# KiCad board pcb.kicad_pcb (continued)
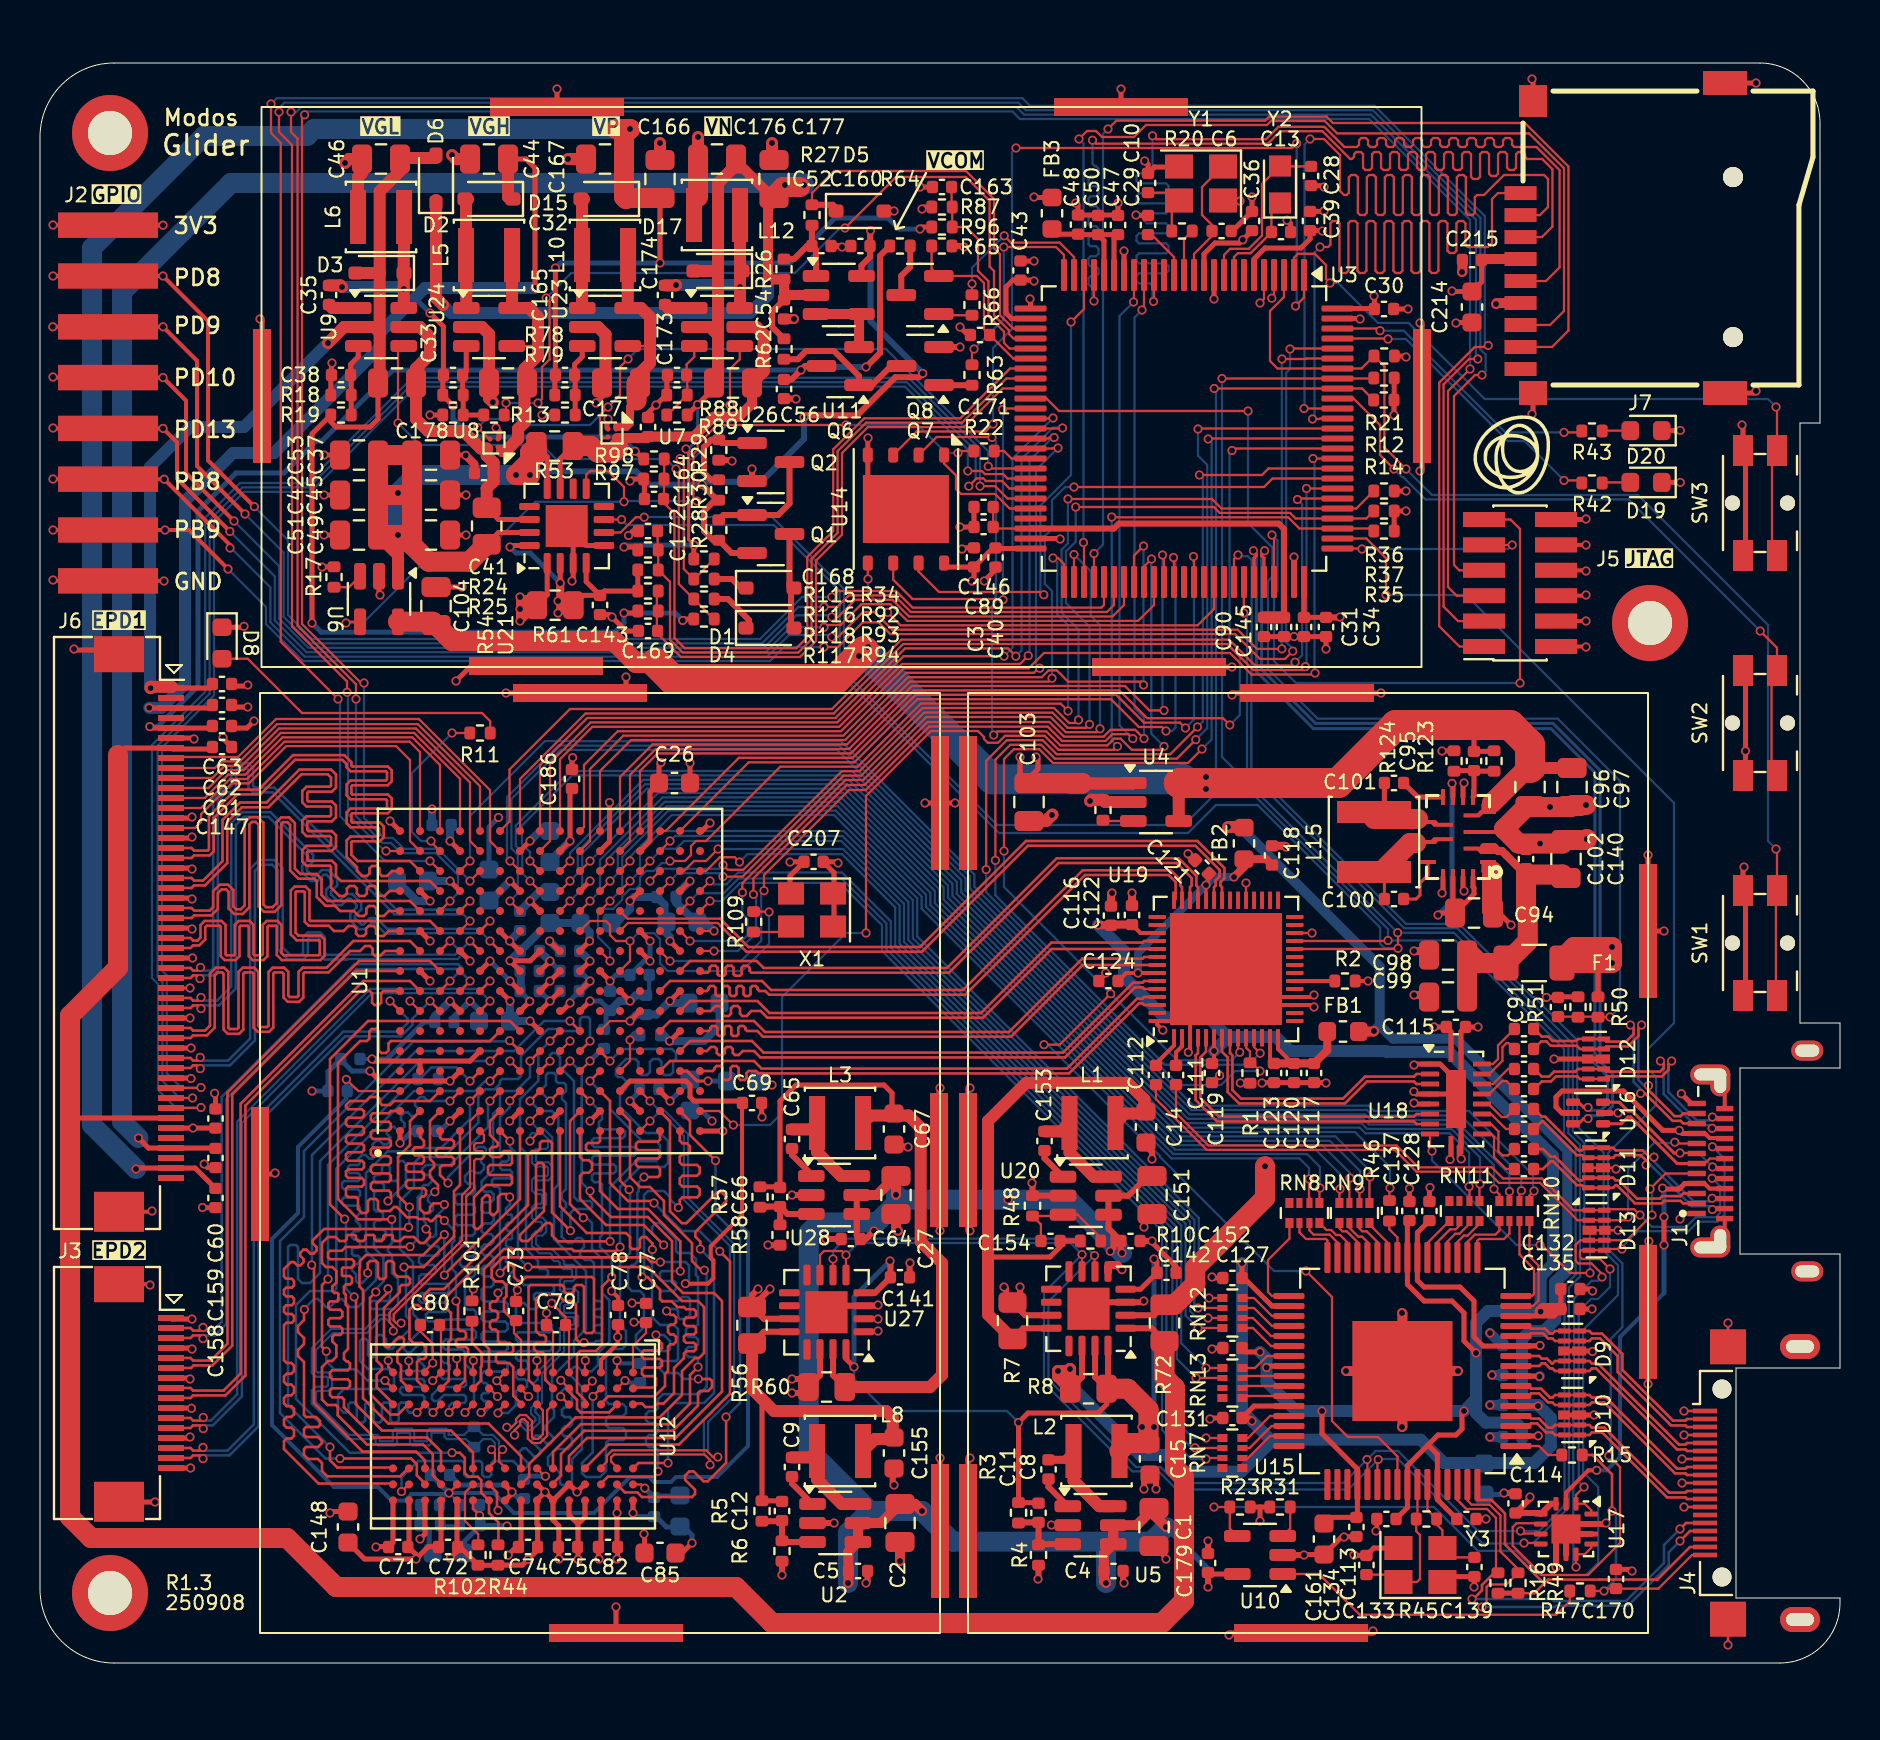
[diagram p0: board, top side]
## Nets (continued)
/dp_in/DPAUXP: C111.2 U19.2
/dp_in/RX1N: C105.1 D11.2 D11.9 J1.A3
/dp_in/RX1NC: C105.2 U18.13
/dp_in/RX1P: C106.1 D11.1 D11.10 J1.A2
/dp_in/RX1PC: C106.2 U18.12
/dp_in/RX2N: C109.1 D12.2 D12.9 J1.B3
/dp_in/RX2NC: C109.2 U18.17
/dp_in/RX2P: C110.1 D12.1 D12.10 J1.B2
/dp_in/RX2PC: C110.2 U18.16
/dp_in/SBU1: C112.1 D13.2 D13.9 J1.A8
/dp_in/SBU2: C111.1 D13.1 D13.10 J1.B8
/dp_in/TX1N: C7.1 D11.5 D11.6 J1.B10
/dp_in/TX1NC: C7.2 U18.15
/dp_in/TX1P: C55.1 D11.4 D11.7 J1.B11
/dp_in/TX1PC: C55.2 U18.14
/dp_in/TX2N: C107.1 D12.5 D12.6 J1.A10
/dp_in/TX2NC: C107.2 U18.19
/dp_in/TX2P: C108.1 D12.4 D12.7 J1.A11
/dp_in/TX2PC: C108.2 U18.18
/epd_power/EN_VGL: R93.1 R94.2 U9.4
/epd_power/EN_VN: R34.2 R92.1 U26.4
/fpga_config/FPGA_INIT: U1.R3
/fpga_ddr/DRAM_ADDR0: U1.K5 U12.N3
/fpga_ddr/DRAM_ADDR1: U1.K6 U12.P7
/fpga_ddr/DRAM_ADDR2: U1.D1 U12.P3
/fpga_ddr/DRAM_ADDR3: U1.L4 U12.N2
/fpga_ddr/DRAM_ADDR4: U1.G5 U12.P8
/fpga_ddr/DRAM_ADDR5: U1.H4 U12.P2
/fpga_ddr/DRAM_ADDR6: U1.H3 U12.R8
/fpga_ddr/DRAM_ADDR7: U1.D3 U12.R2
/fpga_ddr/DRAM_ADDR8: U1.B2 U12.T8
/fpga_ddr/DRAM_ADDR9: U1.A2 U12.R3
/fpga_ddr/DRAM_ADDR10: U1.G6 U12.L7
/fpga_ddr/DRAM_ADDR11: U1.E3 U12.R7
/fpga_ddr/DRAM_ADDR12: U1.F3 U12.N7
/fpga_ddr/DRAM_ADDR13: U1.F6 U12.T3
/fpga_ddr/DRAM_ADDR14: U1.F5 U12.T7
/fpga_ddr/DRAM_BA0: U1.C3 U12.M2
/fpga_ddr/DRAM_BA1: U1.C2 U12.N8
/fpga_ddr/DRAM_BA2: U1.B1 U12.M3
/fpga_ddr/DRAM_CASB: U1.H5 U12.K3
/fpga_ddr/DRAM_CKE: R44.1 U1.F4 U12.K9
/fpga_ddr/DRAM_CKN: R100.1 U1.E1 U12.K7
/fpga_ddr/DRAM_CKP: R100.2 U1.E2 U12.J7
/fpga_ddr/DRAM_CSB: R101.1 U12.L2
/fpga_ddr/DRAM_DATA0: U1.K2 U12.E3
/fpga_ddr/DRAM_DATA1: U1.K1 U12.F7
/fpga_ddr/DRAM_DATA2: U1.J3 U12.F2
/fpga_ddr/DRAM_DATA3: U1.J1 U12.F8
/fpga_ddr/DRAM_DATA4: U1.F2 U12.H3
/fpga_ddr/DRAM_DATA5: U1.F1 U12.H8
/fpga_ddr/DRAM_DATA6: U1.G3 U12.G2
/fpga_ddr/DRAM_DATA7: U1.G1 U12.H7
/fpga_ddr/DRAM_DATA8: U1.L3 U12.D7
/fpga_ddr/DRAM_DATA9: U1.L1 U12.C3
/fpga_ddr/DRAM_DATA10: U1.M2 U12.C8
/fpga_ddr/DRAM_DATA11: U1.M1 U12.C2
/fpga_ddr/DRAM_DATA12: U1.P2 U12.A7
/fpga_ddr/DRAM_DATA13: U1.P1 U12.A2
/fpga_ddr/DRAM_DATA14: U1.R2 U12.B8
/fpga_ddr/DRAM_DATA15: U1.R1 U12.A3
/fpga_ddr/DRAM_LDM: U1.J4 U12.E7
/fpga_ddr/DRAM_LDQSN: U1.H1 U12.G3
/fpga_ddr/DRAM_LDQSP: U1.H2 U12.F3
/fpga_ddr/DRAM_ODT: U1.L5 U12.K1
/fpga_ddr/DRAM_RASB: U1.J6 U12.J3
/fpga_ddr/DRAM_RST: R103.1 U1.E4 U12.T2
/fpga_ddr/DRAM_UDM: U1.K3 U12.D3
/fpga_ddr/DRAM_UDQSN: U1.N1 U12.B7
/fpga_ddr/DRAM_UDQSP: U1.N3 U12.C7
/fpga_ddr/DRAM_WEB: U1.C1 U12.L3
/fpga_io/LED: R11.1 U1.C15
/mcu/G_LED: R42.1 U3.97
/mcu/OSC32_IN: C13.1 U3.8 Y2.1
/mcu/OSC32_OUT: C28.1 U3.9 Y2.2
/mcu/OSC_IN: C6.1 U3.12 Y1.1
/mcu/OSC_OUT: R20.1 U3.13
/mcu/R_LED: R43.1 U3.98
/power/EVDD: C94.2 U13.7 U13.13 U13.15
/tmds_in/ADV_CK: R46.2 U15.25
/tmds_in/ADV_DE: RN7.4 U15.45
/tmds_in/ADV_HS: RN7.3 U15.46
/tmds_in/ADV_P0: RN13.1 U15.43
/tmds_in/ADV_P1: RN13.2 U15.42
/tmds_in/ADV_P2: RN13.3 U15.41
/tmds_in/ADV_P3: RN13.4 U15.39
/tmds_in/ADV_P4: RN12.1 U15.38
/tmds_in/ADV_P5: RN12.2 U15.37
/tmds_in/ADV_P6: RN12.3 U15.36
/tmds_in/ADV_P7: RN12.4 U15.35
/tmds_in/ADV_P8: RN8.1 U15.33
/tmds_in/ADV_P9: RN8.2 U15.32
/tmds_in/ADV_P10: RN8.3 U15.31
/tmds_in/ADV_P11: RN8.4 U15.30
/tmds_in/ADV_P12: RN9.1 U15.29
/tmds_in/ADV_P13: RN9.2 U15.28
/tmds_in/ADV_P14: RN9.3 U15.27
/tmds_in/ADV_P15: RN9.4 U15.26
/tmds_in/ADV_P16: RN11.1 U15.22
/tmds_in/ADV_P17: RN11.2 U15.21
/tmds_in/ADV_P18: RN11.3 U15.20
/tmds_in/ADV_P19: RN11.4 U15.19
/tmds_in/ADV_P20: RN10.1 U15.18
/tmds_in/ADV_P21: RN10.2 U15.17
/tmds_in/ADV_P22: RN10.3 U15.16
/tmds_in/ADV_P23: RN10.4 U15.15
/tmds_in/ADV_VS: RN7.2 U15.47
/tmds_in/HDMI_HPD: C170.1 J4.19 R15.2 R47.2
/tmds_in/HDMI_SCL: J4.15 R16.1 U15.62
/tmds_in/HDMI_SDA: J4.16 R49.1 U15.63
/tmds_in/TMDS_CKN: D10.1 D10.10 J4.12 U15.3
/tmds_in/TMDS_CKP: D10.2 D10.9 J4.11 U15.4
/tmds_in/TMDS_D0N: D10.4 D10.7 J4.9 U15.6
/tmds_in/TMDS_D0P: D10.5 D10.6 J4.8 U15.7
/tmds_in/TMDS_D1N: D9.1 D9.10 J4.6 U15.9
/tmds_in/TMDS_D1P: D9.2 D9.9 J4.5 U15.10
/tmds_in/TMDS_D2N: D9.4 D9.7 J4.3 U15.12
/tmds_in/TMDS_D2P: D9.5 D9.6 J4.2 U15.13
DEC_RST: U3.87 U15.56 U19.9
DP_HPD: U3.88 U19.11
DP_PDN: R1.2 U3.84 U19.10
DPI_B2: RN13.6 U1.T14
DPI_B3: RN13.5 U1.R14
DPI_B4: RN12.8 U1.N14
DPI_B5: RN12.7 U1.P15
DPI_B6: RN12.6 U1.M13
DPI_B7: RN12.5 U1.M14
DPI_DE: RN7.5 U1.T13
DPI_G2: RN8.6 U1.L12
DPI_G3: RN8.5 U1.L13
DPI_G4: RN9.8 U1.L14
DPI_G5: RN9.7 U1.K12
DPI_G6: RN9.6 U1.K14
DPI_G7: RN9.5 U1.J12
DPI_HS: RN7.6 U1.R12
DPI_PCLK: R46.1 U1.J13
DPI_R2: RN11.6 U1.J14
DPI_R3: RN11.5 U1.H14
DPI_R4: RN10.8 U1.H13
DPI_R5: RN10.7 U1.G12
DPI_R6: RN10.6 U1.G14
DPI_R7: RN10.5 U1.D14
DPI_VS: RN7.7 U1.T12
EPD_POS_EN: U3.42 U7.B2 U8.B2
EPD_PWR_EN: R22.1 U6.4 U21.9
EPD_THROT: U1.M16 U3.83
EPDC_CLKN: J3.2 U1.D8
EPDC_CLKP: J3.3 U1.C8
EPDC_D0N: J6.38 U1.C10
EPDC_D0P: J6.39 U1.E10
EPDC_D1N: J6.35 U1.B10
EPDC_D1P: J6.36 U1.A10
EPDC_D2N: J6.32 U1.E11
EPDC_D2P: J6.33 U1.F10
EPDC_D3N: J6.29 U1.D12
EPDC_D3P: J6.30 U1.D11
EPDC_D4N: J6.26 U1.C11
EPDC_D4P: J6.27 U1.A11
EPDC_D5N: J6.23 U1.B12
EPDC_D5P: J6.24 U1.A12
EPDC_D6N: J6.20 U1.C13
EPDC_D6P: J6.21 U1.A13
EPDC_D7N: J6.17 U1.B14
EPDC_D7P: J6.18 U1.A14
EPDC_D8N: J3.14 U1.A7
EPDC_D8P: J3.15 U1.C7
EPDC_D9N: J3.11 U1.E8
EPDC_D9P: J3.12 U1.E7
EPDC_D10N: J3.8 U1.B8
EPDC_D10P: J3.9 U1.A8
EPDC_D11N: J3.5 U1.C9
EPDC_D11P: J3.6 U1.A9
EPDC_GDCLK: J6.13 U1.B16
EPDC_GDOE: J6.11 U1.D16
EPDC_GDSP: J6.12 U1.C16
EPDC_SDCE0: J6.10 U1.E15
EPDC_SDLE: J6.9 U1.E16
EPDC_SDOE: J6.8 U1.F15
EPDC_SE_CLK: J6.15 U1.B15
FL_EN: J6.43 U3.45
FL_PWM1: J6.41 U3.43
FL_PWM2: J6.42 U3.44
FMC_A16: U1.L16 U3.58
FMC_D0: U1.M15 U3.61
FMC_D1: U1.R16 U3.62
FMC_D2: U1.F16 U3.81
FMC_D3: U1.G16 U3.82
FMC_D4: U1.H15 U3.37
FMC_D5: U1.H16 U3.38
FMC_D6: U1.J16 U3.39
FMC_D7: U1.K15 U3.40
FMC_NE1: U1.P16 U3.64
FMC_NOE: U1.K16 U3.85
FMC_NWE: U1.N16 U3.86
FPGA_CS: U1.L10 U3.51
FPGA_DONE: R37.2 U1.P13 U3.79
FPGA_MISO: U1.T10 U3.17
FPGA_MOSI: U1.P10 U3.18
FPGA_PROG: R35.2 U1.T2 U3.78
FPGA_SCLK: U1.R11 U3.52
FPGA_SUSP: R36.1 U1.P14 U3.80
FPGA_TCK: J5.1 U1.C14
FPGA_TDI: J5.3 U1.C12
FPGA_TDO: J5.5 U1.E14
FPGA_TMS: J5.7 U1.A15
GCLK: R109.2 U1.K11 U1.M9
HPD_EN: R23.2 U3.68 U10.4
I2C1_SCL: R14.2 U3.92 U15.53 U17.6 U19.25 U21.6 U22.6 U27.6
I2C1_SDA: R12.2 U3.93 U15.54 U17.7 U19.24 U21.7 U22.7 U27.5 U27.7
KEY1: R21.2 SW1.1 U3.3 U3.94
KEY2: SW2.1 U3.91
KEY3: SW3.1 U3.2
LVDS_BKLTEN: U3.4 U19.26
LVDS_EVEN_AN: U1.T8 U19.42
LVDS_EVEN_AP: U1.P8 U19.41
LVDS_EVEN_BN: U1.T9 U19.40
LVDS_EVEN_BP: U1.R9 U19.39
LVDS_EVEN_CN: U1.M11 U19.37
LVDS_EVEN_CP: U1.M12 U19.36
LVDS_ODD_AN: U1.T4 U19.54
LVDS_ODD_AP: U1.P4 U19.53
LVDS_ODD_BN: U1.T5 U19.52
LVDS_ODD_BP: U1.R5 U19.51
LVDS_ODD_CKN: U1.T7 U19.47
LVDS_ODD_CKP: U1.R7 U19.46
LVDS_ODD_CN: U1.T6 U19.49
LVDS_ODD_CP: U1.P6 U19.48
LVDS_PVCCEN: U3.5 U19.33
MCU_SWCLK: J5.9 U3.76
MCU_SWDIO: J5.11 U3.72
QSPI_SCLK: U3.36 U14.6
QSPI_SD0: U3.66 U14.5
QSPI_SD1: U3.59 U14.2
QSPI_SD2: U3.1 U14.3
QSPI_SD3: U3.23 U14.7
QSPI_SS: U3.46 U14.1
SDIO_CLK: J7.5 U3.16
SDIO_CMD: J7.3 U3.22
SDIO_DAT0: J7.7 U3.53
SDIO_DAT1: J7.8 U3.54
SDIO_DAT2: J7.1 U3.89
SDIO_DAT3: J7.2 U3.90
TCPC_INT: U3.77 U17.5
TYPEC_ORI: U3.69 U18.9
USB_DN: U3.70 U16.4
USB_DP: U3.71 U16.6
USER_PB8: J2.6 U3.95
USER_PB9: J2.7 U3.96
USER_PD8: J2.2 U3.55
USER_PD9: J2.3 U3.56
USER_PD10: J2.4 U3.57
USER_PD13: J2.5 U3.60
VCOM_DAC: D5.1 R27.2 U3.28
VCOM_EN: R63.1 U3.25
VCOM_MEA: C171.2 Q8.2 R65.2 U3.31
VCOM_MEA_EN: R66.2 U3.24
VGH_DAC: R13.2 U3.29
VGH_MEA: C164.2 R97.2 R98.1 U3.32
VGL_MEA: C169.2 R117.2 R118.1 U3.34
VN_MEA: C168.2 R115.2 R116.1 U3.33
VP_MEA: C163.2 R87.2 R96.1 U3.30
Net-(C10-Pad1): C10.1 R20.2 Y1.3
Net-(C117-Pad1): C117.1 C120.1 C123.1 FB1.2 U19.13 U19.14
Net-(C118-Pad1): C118.1 C121.1 C124.1 FB2.2 U19.38 U19.50
Net-(C145-Pad2): C89.2 C90.2 C145.2 C146.2 U3.48 U3.73
Net-(D1-A): D1.2 D4.2 Q1.3
Net-(D1-K): D1.1 R92.2
Net-(D2-A): D2.2 L5.2 U24.1
Net-(D3-K): C35.1 D3.1 L6.1 U9.6
Net-(D4-K): D4.1 R93.2
Net-(D8-A): D8.2 R11.2
Net-(D15-A): D15.2 L10.2 U23.1
Net-(D17-K): C174.1 D17.1 L12.1 U26.6
Net-(D19-A): D19.2 R42.2
Net-(D20-A): D20.2 R43.2
Net-(J1-D+-PadA6): J1.A6 J1.B6 U16.1
Net-(J1-D--PadA7): J1.A7 J1.B7 U16.3
Net-(Q1-G): Q1.1 Q2.3 R28.1
Net-(Q2-B): Q2.1 R29.2 R30.2
Net-(Q6-G): Q6.1 Q7.3 R62.1
Net-(Q6-S): Q6.2 U11.3 U11.4
Net-(Q7-G): Q7.1 R63.2
Net-(Q8-D): Q8.3 R64.1
Net-(Q8-G): Q8.1 R66.1
Net-(U1D-IO_L1P_3): R40.1 U1.M4
Net-(U2-BS): C9.2 U2.1
Net-(U2-FB): C12.2 R5.2 R6.1 U2.3
Net-(U2-SW): C9.1 L8.1 U2.6
Net-(U3-NRST): C29.2 U3.14
Net-(U3-PE11): R22.2 U3.41
Net-(U4-SET): R9.2 U4.3
Net-(U5-BS): C8.2 U5.1
Net-(U5-FB): C11.2 R3.2 R4.1 U5.3
Net-(U5-SW): C8.1 L2.1 U5.6
Net-(U6-SET): R17.2 U6.3
Net-(U9-BS): C35.2 U9.1
Net-(U9-FB): C38.1 R18.1 R19.2 U9.3
Net-(U10-SET): R31.2 U10.3
Net-(U10-VOUT): R47.1 U10.1
Net-(U11-+): C52.2 R26.2 R27.1 U11.1
Net-(U12-ZQ): R102.1 U12.L8
Net-(U13-BST1): C101.1 U13.8
Net-(U13-BST2): C100.1 U13.11
Net-(U13-FB): C95.2 R123.2 R124.2 U13.5
Net-(U13-SW1): C101.2 L15.2 U13.9
Net-(U13-SW2): C100.2 L15.1 U13.10
Net-(U13-VIN): C98.2 C99.2 C102.2 C140.2 F1.2 U13.2
Net-(U15-HPA_A/INT2): R15.1 U15.1
Net-(U15-XTALN): C125.1 R45.1 U15.59 Y3.3
Net-(U15-XTALP): C113.1 R45.2 U15.58 Y3.1
Net-(U19-TESTMODE): R2.2 U19.20
Net-(U20-BS): C153.2 U20.1
Net-(U20-FB): C154.2 R10.2 R48.1 U20.3
Net-(U20-SW): C153.1 L1.1 U20.6
Net-(U23-FB): C165.1 R78.1 R79.2 U23.3
Net-(U24-FB): C41.1 R13.1 R24.1 R25.2 U24.3
Net-(U26-BS): C174.2 U26.1
Net-(U26-FB): C175.1 R88.1 R89.2 U26.3
Net-(U28-BS): C65.2 U28.1
Net-(U28-FB): C66.2 R57.2 R58.1 U28.3
Net-(U28-SW): C65.1 L3.1 U28.6
Net-(X1-OUT): R109.1 X1.3

Pads without a net: J4 14 17; J6 2 4 46 48 50; J7 9; RN7 1 8; RN8 7 8; RN11 7 8; RN13 7 8; U1 A4 A5 A6 B3 B5 B6 C4 C5 C6 D5 D6 D9 E6 E12 E13 F7 F9 F12 F13 F14 G11 H11 J11 L7 L8 L11 M5 M6 M7 M10 N4 N5 N6 N8 N9 N12 P5 P7 P9 P11 P12 R15 T3 T15; U3 7 15 47 63 65 67; U12 M7; U15 48 49 50 51 55 61; U19 12 15 16 19 21 22 23 27 28 29 30 31 32 34 35 43 44 55; U21 8 10 13; U22 8 9 10 13; U27 8 9 10 13

## Via types
v1: diameter 0.45, hole 0.3, Top to Bottom, 900 vias

## Routing (per net, layer and track width the routed paths; a pad name or vN(x,y) marks a point on that pad's centre or on a via; arc(x,y) is an arc through that point)
+1V2_DCDC: length 35.9
  Top w0.25: R57.1 36.97,23.81 C66.1 37,28.1 37.8,28.9 42.2,28.9 42.6,28.5 42.6,27.38
  Top w0.3: U27.15 39.65,14.39 R60.2
  Top w0.6: R60.2 44.5,13.8 45.1,14.4 45.1,20 44.03,21.06 44.03,26.77 43.42,27.38 41.53,27.38 L3.2
+1V2_FPGA: length 20.9
  Top w0.25: U1.G9 24,34.61 v1(23.5,35.11) 24.51,35.11 U1.H10 ; v1(27.48,36.1) 27,35.62 U1.K10 ; U1.H8 v1(25.5,34.1) U1.J9 ; U1.J7 26.1,32.6 v1(26.5,33) ; v1(27.5,34.1) U1.K8 ; U1.G7 v1(24.49,33.09)
  Top w0.3: v1(37.6,14.2) 38.1,14.2 38.41,13.89 R60.1 ; v1(37.6,13.5) 38.2,13.5 38.41,13.71 R60.1 ; R60.1 39,14.39 U27.14
  Bottom w0.25: v1(23.5,35.11) 24,34.61 U1.G9 24.02,34.6 ; v1(26.5,33) 26.5,33.12 26.98,33.6 ; 24.02,33.6 C57.1 24.49,33.11 v1(24.49,33.09) ; 26.98,34.6 27,34.6 v1(27.5,34.1)
  Bottom w0.4: C68.1 U1.K8 v1(27.5,34.1) ; C57.1 24.03,33.63 24.03,34.56 U1.G9 ; v1(27.48,36.1) 27.48,36.55 C20.1 C18.1 25.42,37 C24.1 23.99,35.6 v1(23.5,35.11)
+1V8_DCDC: length 30
  Top w0.25: R10.1 51,21.1 51,20.81 50.5,20.3 47.4,20.3
  Top w0.3: U22.12 49.16,16.74 R7.2
  Top w0.6: R7.2 47.4,17.42 47.4,27.1 49.31,29.01 54.39,29.01 55.22,28.17 55.22,27.47 54.25,27.47 L1.2
+1V8_VID: length 128.1
  Top w0.2: U19.45 55.02,36.5 C122.1 ; 58.7,29.98 v1(58.7,30.6) U19.6
  Top w0.25: C136.1 60.3,15.55 v1(61,15.55) ; v1(71.8,15.5) 71.2,16.1 71.2,17.5 70.6,18.1 69.2,18.1 68.37,18.93 68.37,22.02 C137.1 ; 69.4,10.9 69.9,11.4 70.8,11.4 71.1,11.7 71.1,12.5 v1(71.2,12.6) ; 69.4,10.9 69.87,10.43 U15.60 69.87,8.17 C139.1 ; 69.4,10.9 68.37,9.87 U15.57 68.37,7.77 C133.1 ; v1(74.91,11.36) 74.9,11.35 U15.2 ; 62.44,14.85 61.4,14.85 v1(61.33,14.77) ; U15.14 75.69,17.35 C135.1 C132.1 ; v1(64.1,12.6) 64.1,11.47 65.87,9.7 U15.52 65.87,7.33 C134.1 64.5,7.28 C161.1
  Top w0.3: v1(49,18.8) 49,18.4 R7.1 ; R7.1 48.45,18.2 48.3,18.2 48.3,18.7 v1(48.2,18.8) ; R7.1 49.26,17.39 U22.11
  Top w0.4: v1(52.9,36.9) 52.91,36.89 C116.1 53.58,36.92 C122.1
  Top w0.6: v1(75.03,17.57) 75.16,17.7 C135.1
  In1.Cu w2: v1(48.2,18.8) 52.27,22.86 53.95,22.86 54.22,23.14 58.86,23.14 61.44,20.56 61.44,15.53 61.3,15.4
  Bottom w0.25: C138.1 74.16,11.36 v1(74.91,11.36)
  Bottom w0.6: C138.1 74.1,11.7 73.78,12.02 72.28,12.02 71.8,12.5 71.8,13.2 ; v1(61,15.55) 61.33,15.22 v1(61.33,14.77) 61.33,14.07 62.8,12.6 v1(64.1,12.6) v1(71.2,12.6) 71.8,13.2 ; 71.8,13.2 v1(71.8,15.5) 71.8,17 72.4,17.6 75,17.6 v1(75.03,17.57) 75.03,19.32 75.65,19.95 75.65,25.35 70.44,30.56 67.34,30.56 67.3,30.6 62.5,30.6 61.8,31.3 59.4,31.3 ; 59.4,31.3 v1(58.7,30.6) ; 59.4,31.3 58.42,32.28 56.22,32.28 54.2,34.3 54.2,35.6 v1(52.9,36.9)
+1V35: length 59.8
  Top w0.11: v1(18.44,15.11) 18.45,15.1 18.45,14.57 ; v1(24.43,13.33) 24.05,13.7 24.05,13.72 ; 19.98,16.92 20.05,16.85 20.05,14.57 ; v1(25.27,9.34) 25.23,9.34 24.85,9.72 ; v1(25.32,17.5) 25.32,16.92 25.65,16.59 25.65,14.57 ; v1(19.64,14.12) 19.65,14.12 20.05,14.52 ; v1(22.87,13.33) 22.48,13.72 22.45,13.72 ; 29.65,8.92 30.06,8.92 v1(30.24,8.74) ; 29.65,14.57 29.65,15.85 30.3,16.5 30.3,17.04 v1(29.7,17.04) ; 28.85,13.72 v1(29.25,14.12) ; v1(27.61,14.1) 27.61,14.09 27.25,13.72 ; U1.G4 v1(23.5,30.1) ; U1.K4 v1(27.5,30.1)
  Top w0.127: v1(22.9,7.64) 22.85,7.69 22.85,8.52 22.45,8.92
  Top w0.2: 28.9,17.02 28.88,17 v1(28.88,16.3) 28.88,15.98 28.05,15.15 28.05,14.52
  Top w0.25: v1(26.9,5.18) 26.9,6.95 ; v1(18.8,5.2) 16.23,5.2 C148.1 ; v1(18.8,5.2) 19.41,5.81 19.93,5.81 20.05,5.93 20.05,8.12 ; v1(18.8,5.2) 18.8,5.42 18.4,5.82 18.45,5.87 18.45,8.12 ; 26.9,6.95 26.45,7.4 26.45,8.12 ; 26.9,6.95 27.25,7.3 27.25,8.12 ; v1(30.2,6.45) 30.22,6.42 30.22,5.55 ; U1.D2 v1(20.5,27.1) ; 24.05,8.12 24.05,5.95 23.92,5.82 23.83,5.82 v1(23.4,5.39) ; v1(25.5,27.11) 25.99,27.6 U1.J2 ; 28.05,8.12 28.05,5.95 27.92,5.82 27.92,5.23 v1(27.95,5.2) ; U1.N2 v1(29.5,28.1)
  Top w0.3: R56.1 35.6,18.4 v1(35.9,18.7) ; R56.1 v1(36.5,18.7) ; R56.1 36.19,17.21 U27.11
  Bottom w0.2: v1(29.25,14.12) 29.36,14.02 C83.1
  Bottom w0.25: v1(25.27,9.34) 24.36,9.34 C84.1 ; C16.1 33.08,27.62 v1(33.6,27.1) ; 18.97,7.92 18.97,6.9 18.94,6.87 19.21,6.87 19.46,6.62 19.46,5.76 19.67,5.55 19.15,5.55 v1(18.8,5.2) ; v1(29.5,28.1) 30.02,28.62 30.02,28.7 ; 19.78,26.6 20,26.6 v1(20.5,27.1) ; 28.3,30.9 v1(27.5,30.1) ; 32.2,8.35 30.87,8.35 30.8,8.28 30.71,8.28 v1(30.24,8.74)
+1V35_DCDC: length 20.9
  Top w0.25: C12.1 37.07,8.11 R5.1 36.1,13.2
  Top w0.3: U27.12 36.19,16.56 R56.2
  Top w0.6: R56.2 35.6,13.7 36.7,12.6 42.3,12.6 42.64,12.26 42.64,11.2 41.75,11.2 L8.2
+3V3: length 142.1
  Top w0.11: v1(29.5,32.1) 28.5,32.1 U1.L6 ; U1.T11 v1(33.7,36.6)
  Top w0.15: U1.R4 32.35,29.6 32.85,29.1 v1(33.4,29.1)
  Top w0.2: v1(0.65,71.9) 0.66,71.89 J2.1
  Top w0.25: C3.1 46.7,54.2 v1(46.6,54.1) ; C3.1 47.66,55.76 47.78,55.76 47.81,55.73 U3.50 ; C3.1 45.4,54.8 U14.8 ; v1(6.15,71.89) J2.1 ; v1(19.5,34.1) U1.B9 ; J6.45 8.47,26.75 ; U21.1 25.36,53.41 R61.1 ; U1.F11 23,36.58 v1(23.48,36.1) 23.98,35.6 U1.G10 ; v1(67.7,62.4) R14.1 67.71,63.16 R12.1 ; U1.K13 v1(27.5,39.1) ; U1.D15 v1(20.5,41.1) ; v1(77.3,57.2) 77.28,57.17 J5.12 ; v1(85.1,61.9) 85.15,61.85 SW3.2 85.28,60.5 85.28,55.5 SW3.2 ; U18.1 70.55,31.56 C115.1 v1(69.7,31.8) ; U1.D7 v1(20.5,33.1) ; U1.J10 25.98,35.6 v1(25.48,36.1) ; U1.R8 v1(31.5,33.1) ; v1(49.7,69.1) 49.66,69.15 C43.1 48.64,69.15 48.3,68.8 48.3,67.5 48.58,67.22 U3.27 ; v1(68.3,57.6) R37.1 R35.1 ; C186.1 26.5,43.62 v1(26.5,41.1) U1.J15 ; v1(7.7,46.2) 7.65,46.25 6.6,46.25 ; U18.10 70.55,25.22 v1(70.5,25.17) ; U1.F8 v1(23.5,33.1) ; U1.N10 v1(30.5,35.1) ; U1.N15 30.5,41.1 30.5,43.55 C26.1 30.95,44.92 v1(31.05,45.03) ; U1.B13 v1(19.5,38.1) ; v1(64.12,71.6) 64.09,71.62 C39.1 63.5,71.2 63.05,70.75 61.25,70.75 60.7,70.2 U3.6 ; v1(68.7,28) 68.75,27.95 U18.6 ; FB3.1 49.72,73.28 v1(49.7,73.3) ; v1(16.6,30.2) 16.7,30.1 19,30.1 ; 19,30.1 21.5,30.1 U1.E5 ; 19,30.1 U1.B4 ; C34.1 C31.1 U3.75 ; U1.G13 v1(23.5,39.1) ; U1.R13 v1(32.5,39.1) ; SW1.2 85.28,33.5 85.28,38.5 SW1.2 85.15,39.75 v1(85.2,39.8) ; U1.N11 v1(30.5,36.1) ; v1(39.9,40) 39.84,40.06 C207.2 39.7,39.52 39.7,36.8 ; U3.100 66.69,67.72 C30.1 66.72,68.33 v1(66.7,68.35) ; SW2.2 85.28,44.5 85.28,49.5 SW2.2 ; C215.1 72.08,69.06 71.6,68.58 70.62,68.58 v1(70.6,68.6) ; v1(21.5,35.1) U1.D10 ; v1(28.5,34.1) U1.L9 ; U1.N7 v1(29.5,32.1) ; U3.11 58.2,70.45 58.75,71 59.98,71 C36.1 ; U1.H6 v1(24.5,32.1)
  Top w0.3: C34.1 64.98,52.28 v1(65,52.3) ; v1(46.2,70.8) 46.15,70.85 R65.1 ; U17.3 75.55,7.96 U17.4 74.99,7.5 C114.1 74.5,8.22 v1(74.5,8.3) ; Q7.2 v1(46,65.8)
  Top w0.4: R61.1 24.53,53.2 24.1,53.2 v1(24,53.3) v1(24,52.1) 24.35,52.45 ; R61.1 24.79,52.89 24.35,52.45 ; R61.1 24.19,52.89 ; U22.5 53.4,19.8 53.5,19.9 53.86,19.9 v1(54.1,19.67) ; 24.19,52.89 v1(24,52.7) ; 24.19,52.89 24.35,52.73 24.35,52.45
  Top w0.5: C215.1 72.13,70.2 J7.4
  Bottom w0.2: 15.96,30.2 v1(16.6,30.2)
  Bottom w0.25: C188.1 19.2,32.05 17.35,30.2 v1(16.6,30.2) ; v1(30.5,36.1) v1(30.5,35.1) 30.2,35.1 C183.1 28.8,34.4 v1(28.5,34.1) ; 29.52,32.12 v1(29.5,32.1) ; C92.1 v1(33.4,29.1)
  Bottom w0.4: v1(19.5,38.1) 18.85,38.1 C156.1 ; C188.1 19.74,32.34 v1(20.5,33.1) ; C23.1 25.98,35.6 v1(25.48,36.1) ; C182.1 20.5,41.84 v1(20.5,41.1) ; C21.1 22.53,38.12 v1(23.5,39.1) ; v1(32.5,39.1) 31.8,38.4 C187.1 31.8,38.03 32.78,37.05 33.25,37.05 v1(33.7,36.6) ; v1(23.5,33.1) C19.1 v1(24.5,32.1) ; v1(29.5,32.1) 29.82,32.42 C190.1 30.82,32.42 v1(31.5,33.1) 31.6,33 C150.1 ; C58.1 v1(28.5,34.1) ; C25.1 v1(23.48,36.1) ; v1(26.5,41.1) 25.5,40.1 C149.1
  vias: v1(7.65,26.75) v1(60.14,71.16) v1(85.28,45.6)
+3V3_DCDC: length 196.7
  Top w0.25: C11.1 49.89,8.02 R3.1 v1(48.92,12.03) 49.4,12.5 52.9,12.5 53.34,12.94 R8.2 ; U21.2 v1(26.01,54) ; U27.16 40.3,15.21 v1(40.7,14.8) ; v1(55.7,20.2) 55.84,20.06 C142.1 55.02,18.69 U22.4 ; C143.1 27.31,54.07 U21.4 ; C143.1 28.22,53.6 R118.2 R116.2 ; C143.1 27.16,53.38 R61.2 26.01,53.55 26.01,53.7 ; v1(23.5,55.8) 23.58,55.88 U21.16
  Top w0.3: v1(55.7,11.8) 55.42,11.53 55.42,10.97 55.42,11.47 v1(55.1,11.8) ; U27.4 41.75,18.51 C141.1 42.52,20.08 v1(42.5,20.1) ; U22.16 53.4,13.78 R8.2 52.75,14.3 U22.15
  Top w0.4: v1(25.9,53.1) 26.11,52.89 R61.2 26.29,52.89 v1(25.9,52.5) 26.01,52.61 v1(26.01,54)
  Top w1: L2.2 54.38,11 55.4,11 55.42,10.97 55.42,12.67 54.39,13.71 R8.2
  In1.Cu w2: v1(55.7,11.8) 53.3,11.8 46.3,4.8 46.3,3.8 43.8,1.3 9.96,1.3 1.3,9.96 1.3,46.4 5.4,50.5 24.5,50.5 25.6,51.6 25.6,53.1 25.66,53.16
  Bottom w0.12: v1(40.7,14.8) 40.7,14.2 42.3,12.6 48.35,12.6 v1(48.92,12.03)
  Bottom w0.25: v1(55.7,20.2) v1(55.7,11.8) ; v1(26.01,54) 24.51,55.5 23.8,55.5 v1(23.5,55.8) ; v1(42.5,20.1) 40.7,18.3 v1(40.7,14.8)
+3V3_VID: length 112
  Top w0.25: C128.1 68.87,21.52 68.87,19.13 69.2,18.8 71,18.8 71.7,18.1 71.7,16.3 72.15,15.85 U15.11 74.97,15.85 v1(75,15.88) ; v1(74.97,14.33) 74.95,14.35 U15.8 ; 62.44,12.85 60.7,12.85 C131.1 60.45,12.25 v1(60.6,12.1) ; 62.44,17.85 61.6,17.85 60.2,19.25 C127.1 v1(60.1,20) ; v1(74.9,12.85) U15.5
  Top w0.3: R8.1 52.1,14.3 U22.14
  Top w0.5: v1(66.7,31.6) 66.68,31.58 FB1.1
  Top w0.6: FB2.1 60.17,41.8 v1(59.4,41.8) ; v1(50.9,14.6) 51.4,14.6 v1(51.5,14.7) 51.5,13.72 R8.1 50.9,14.33 v1(50.9,14.6)
  Bottom w0.25: C126.1 74.85,12.9 v1(74.9,12.85) ; C129.1 74.12,15.88 v1(75,15.88) ; C130.1 74.18,14.33 v1(74.97,14.33)
  Bottom w0.5: 74.97,12.92 v1(74.9,12.85) ; v1(59.4,41.8) 60,41.8 66.99,34.81 66.99,31.89 ; 66.99,31.89 v1(66.7,31.6) ; 66.99,31.89 67.66,31.22 70.78,31.22 76.37,25.64 76.37,19.66 76.31,19.61 ; 75,14.35 v1(74.97,14.33)
  Bottom w0.6: 61.53,11.17 v1(60.6,12.1) 60.1,12.6 v1(60.1,20) ; 61.53,11.17 61.53,11.03 60.06,9.56 57.14,9.56 56.3,10.4 55,10.4 51.5,13.9 ; 61.53,11.17 69.03,11.17 70.2,10 74.7,10 75.54,10.84 75.54,12.26 74.9,12.9 C126.1 C129.1 74.1,16.2 74.5,16.6 75.2,16.6 75.76,17.16 75.76,19.05 76.31,19.61 ; 51.5,13.9 50.9,14.5 v1(50.9,14.6) ; 51.5,13.9 v1(51.5,14.7)
+3V3A: length 7.7
  Top w0.25: C50.1 C47.1 53.7,71.22 U3.20 ; C50.1 53.2,71.12 U3.21 ; C50.1 51.92,71.42 C48.1 50.86,71.44 FB3.2
+5V: length 126.3
  Top w0.25: v1(49,45.3) 49,44.5 49.45,44.05 C103.2 49.45,44.25 49.9,44.7 49.9,45.2 v1(49.8,45.3) ; U10.5 58.47,4.45 C179.1
  Top w0.3: 53.67,21.47 53.67,20.75 v1(53.51,20.59) ; 53.67,21.47 53.42,21.72 U20.4 U20.5 54.41,23.36 55.22,24.17 ; 53.67,21.47 C152.2 54.05,20.56 v1(54.1,20.5) ; v1(41.7,21.61) 41.29,21.2 C64.2 40.84,21.38 U28.4 U28.5 ; 56.25,6.75 v1(56.3,6.8) ; C179.1 v1(58.4,3.8)
  Top w0.5: v1(56.3,6.8) 55.7,7.4 C1.2 54.84,6.89 U5.5 U5.4 53.19,5.47 C4.2 53.19,4.11 v1(53.3,4) ; v1(40.4,4) 40.42,4.02 C5.2 40.42,5.57 U2.4 U2.5 42.05,7 C2.2 43.75,7.95 v1(44.1,7.6) ; U28.5 41.85,23.4 C27.2 v1(42.8,23.41)
  Top w0.6: U4.1 54.64,43.97 51.5,43.97
  Top w1: C103.2 52.11,44 52.09,43.97 51.5,43.97
  In1.Cu w1.5: v1(49.8,45.3) v1(49,45.3) 49.28,45.02 49.28,34.19 49.2,34.1 49.2,32.9 48.4,32.1 v1(48.4,23.17) 43.05,23.17 v1(42.8,23.41)
  Bottom w0.3: v1(56.3,6.8) 58.4,4.7 v1(58.4,3.8)
  Bottom w1: v1(53.3,4) 53.3,5.86 53.5,6.06 ; 53.5,6.06 45.64,6.06 v1(44.1,7.6) 41.5,7.6 41.45,7.65 ; 53.5,6.06 55.56,6.06 v1(56.3,6.8) ; 41.45,7.65 41.45,7.57 40.4,6.52 v1(40.4,4) ; 41.45,7.65 38.44,10.67 38.44,21.52 38.95,22.03 41.55,22.03 41.7,21.89 42.8,22.98 v1(42.8,23.41) 43.05,23.17 51.44,23.17 v1(54.1,20.5)
+5V2_FL: length 123
  Top w0.25: 1.5,27.2 1.55,27.25 J6.44 ; 8.62,45.7 6.65,45.7 6.6,45.75 4.25,45.75 3.9,45.4
  Top w0.3: U22.1 55.58,16.74 R72.1
  Top w1: 3.9,45.4 3.9,34.77 1.5,32.37 1.5,7.3 2.55,6.25 12.36,6.25 14.81,3.8 34.8,3.8 36.6,2 56.1,2 57.2,3.1 57.2,9.3 56.75,9.75 56.75,13.75 56.22,14.28 R72.1
+5V_DCDC: length 108.1
  Top w0.25: R123.1 72.67,45.58 C95.1 71.7,46.9 ; 72.2,42.6 72.2,42.91 72.29,43 72.6,43
  Top w0.3: R72.2 55.7,17.39 U22.2
  Top w0.6: U4.4 U4.5 ; C96.2 C97.2
  Top w1: v1(61.25,24.84) 61.25,23.25 57.77,19.77 57.77,18.95 56.72,17.91 R72.2 ; 30.8,50 29.8,50 28.7,51.1 20.6,51.1 19.64,52.06 U6.5 ; C96.2 74.35,44.75 72.6,43
  Top w1.5: C96.2 74.5,45.9 73.5,46.9 67.8,46.9 64.9,44 U4.5 ; 41.2,50.6 v1(40.95,50.35) 39.8,49.2 31.6,49.2 30.8,50
  In1.Cu w1: v1(61.25,24.84) 62.25,25.84 62.25,33.25 61.47,34.03 61.47,41.53 60.36,42.64 59.36,42.64 v1(58.3,43.7) v1(58.3,44.3)
  Bottom w1.5: 57.89,44 57.33,44 57.15,44.19 47.61,44.19 41.2,50.6
  vias: v1(41.4,50.8)
+5V_EG: length 15.7
  Top w0.25: U21.14 22.92,57.17 R54.2
  Top w0.6: U9.5 19,66.8 19.5,66.3 19.5,65.42 18.8,64.72 C33.2 18.8,62.2 19.4,61.6 21.25,61.6 21.25,61.51 22.04,60.72 22.33,60.72 22.33,60.36 22.68,60.02 C178.1 22.68,59.08 22.33,58.73 R54.2
+5V_EPD: length 78.5
  Top w0.25: U21.12 25.36,60.31 R53.1 ; U21.15 22.92,56.52 R54.1
  Top w0.3: 33.24,58.77 33.87,58.14 R30.1 33.74,58.14 33.2,57.6 33.2,56.6 33.66,56.14 R28.2 34.58,55.5 Q1.2 ; v1(44.14,64.48) 43.95,64.29 42.77,64.29 40.86,62.38 38.3,62.38 v1(38.2,62.29) ; v1(41.53,71.62) 41.5,71.6 C160.2 41.5,70.3 41.08,69.88 U11.5
  Top w0.6: 17.9,55.4 17.9,55.7 C49.2 ; 17.9,55.4 U6.1 ; 17.9,55.4 C45.2
  Top w1: R54.1 21.46,55.06 19.44,55.06 18.6,55.9 C49.2 ; C49.2 v1(17.9,56.4) C45.2 C53.2 C37.2 C49.2 ; C51.2 C42.2 ; v1(23.8,59.4) v1(24.5,59.4) 24.5,60.53 R53.1 24.82,60.42 v1(23.8,59.4)
  Bottom w0.3: v1(38.2,62.29) 38.2,61.2 36.06,59.06 33.24,59.06 v1(33.1,58.92) 30.47,58.92 29.8,59.59 24.69,59.59 v1(24.5,59.4) ; v1(41.53,71.62) 41.53,67.09 v1(44.14,64.48)
  Bottom w1: v1(23.8,59.4) 18.8,59.4 v1(17.9,58.5) v1(17.9,56.4)
+5V_ES: length 17.4
  Top w0.25: U21.11 26.01,60.21 R53.2
  Top w0.5: C173.2 35.6,62.97 34.95,62.31 33.68,62.31 32.69,61.32 C172.1 30.33,61.25 28.85,61.25
  Top w0.6: C173.2 36.18,64.58 36.18,66.43 35.82,66.8 U26.5
  Top w1: 28.92,60.79 28.65,60.52 27.88,60.52 27.55,60.85 R53.2
+5V_HDMI: length 18.1
  Top w0.127: R49.2 74.72,3.49 75.26,4.04 ; 75.26,4.04 75.4,4.17 77.97,4.17 77.97,4.17 80.87,4.17 80.87,4.17 82.5,5.8 J4.18 ; 75.26,4.04 75.14,4.04 73.3,5.88 73.3,5.9 73.25,5.95 73.25,7.47 72.57,8.15 71.87,8.15 71.87,8.15 U15.64
  Top w0.25: R49.2 R16.2
+VBUS: length 40.6
  Top w0.2: J1.B4 84.21,26.25 83.48,26.25 83.25,26.48 J1.A9 ; J1.B9 83.48,23.72 83.22,23.98 J1.A4 ; v1(77.83,9.63) 77.42,9.63 76.3,8.52 U17.2
  Top w0.25: v1(81.2,20.9) v1(81.2,22.3) ; R50.1 77.9,34.8 77.7,35 ; J1.A9 82.12,26.48 v1(81.96,26.63) 81.14,26.63 79.17,28.6 76.1,28.6 75.8,28.3 75.8,27.8 76.1,27.5 76.47,27.5 ; J1.A4 82.24,23.98 81.96,23.7 81.17,23.7 v1(81.13,23.74)
  Top w1: 76.1,35.2 76.7,35.8 v1(78.6,35.8) v1(78.6,35) F1.1 76.1,35.2
  Bottom w0.2: 81.2,18.5 79,16.3 79,10.3 78.33,9.63 v1(77.83,9.63)
  Bottom w0.25: 81.2,18.5 v1(81.2,20.9) ; v1(81.2,22.3) 81.2,23.67 v1(81.13,23.74)
/epd_power/+5V_VGH: length 13.2
  Top w0.11: 23.5,65.76 U24.4 24.85,65.85 24.9,65.8
  Top w0.6: L5.1 23.6,67.76 U24.5 24.45,67.75 24.9,67.3 24.9,65.39 24.22,64.71 24.22,62.02 23.9,61.7 23.9,61.21 23.29,60.6 23.1,60.6
/epd_power/+5V_VSH: length 11.5
  Top w0.11: 29.4,65.84 U23.4 30.45,65.85 30.5,65.9
  Top w0.4: 28.85,61.81 29.31,61.81 29.5,62 29.5,62.8 29.83,63.12
  Top w0.6: 29.83,64 29.83,64.33 30.5,65 30.5,67.3 30.05,67.75 U23.5 29.39,70.39 L10.1
  Top w1: 29.83,63.12 29.83,64
GND: length 506.2
  Top w0.11: 20.85,14.52 20.85,15.2 v1(20.83,15.22) ; v1(18.5,33.1) 18.5,33.1 U1.B7 ; v1(24.84,15.12) 24.85,15.12 24.85,14.52 ; v1(26.04,14.13) 26.45,13.72 ; v1(25.59,17.99) 26.28,17.3 26.28,16.92 26.45,16.75 26.45,14.57 ; v1(21.67,15.12) 21.65,15.11 21.65,14.52 ; 19.02,16.92 19.02,16.58 19.64,15.96 v1(19.64,15) 19.25,14.61 19.25,14.52 ; 23.25,14.52 v1(22.84,14.11) 23.23,13.72 23.25,13.72 ; 23.75,18 23.75,18.53 v1(23.86,18.65) ; v1(17.41,15.12) 17.41,14.81 17.65,14.57 ; 30.3,18 29.61,18 v1(29.6,18) ; 28.85,14.52 v1(28.85,15.12) ; U1.J5 v1(26.5,31.1) ; 21.6,18.01 21.6,18.63 v1(21.66,18.7) ; v1(27.27,15.12) 27.25,15.11 27.25,14.52